# Altium PCB LimeSDR-QPCIe_1v2.PcbDoc (part 15 of 21) (continued)
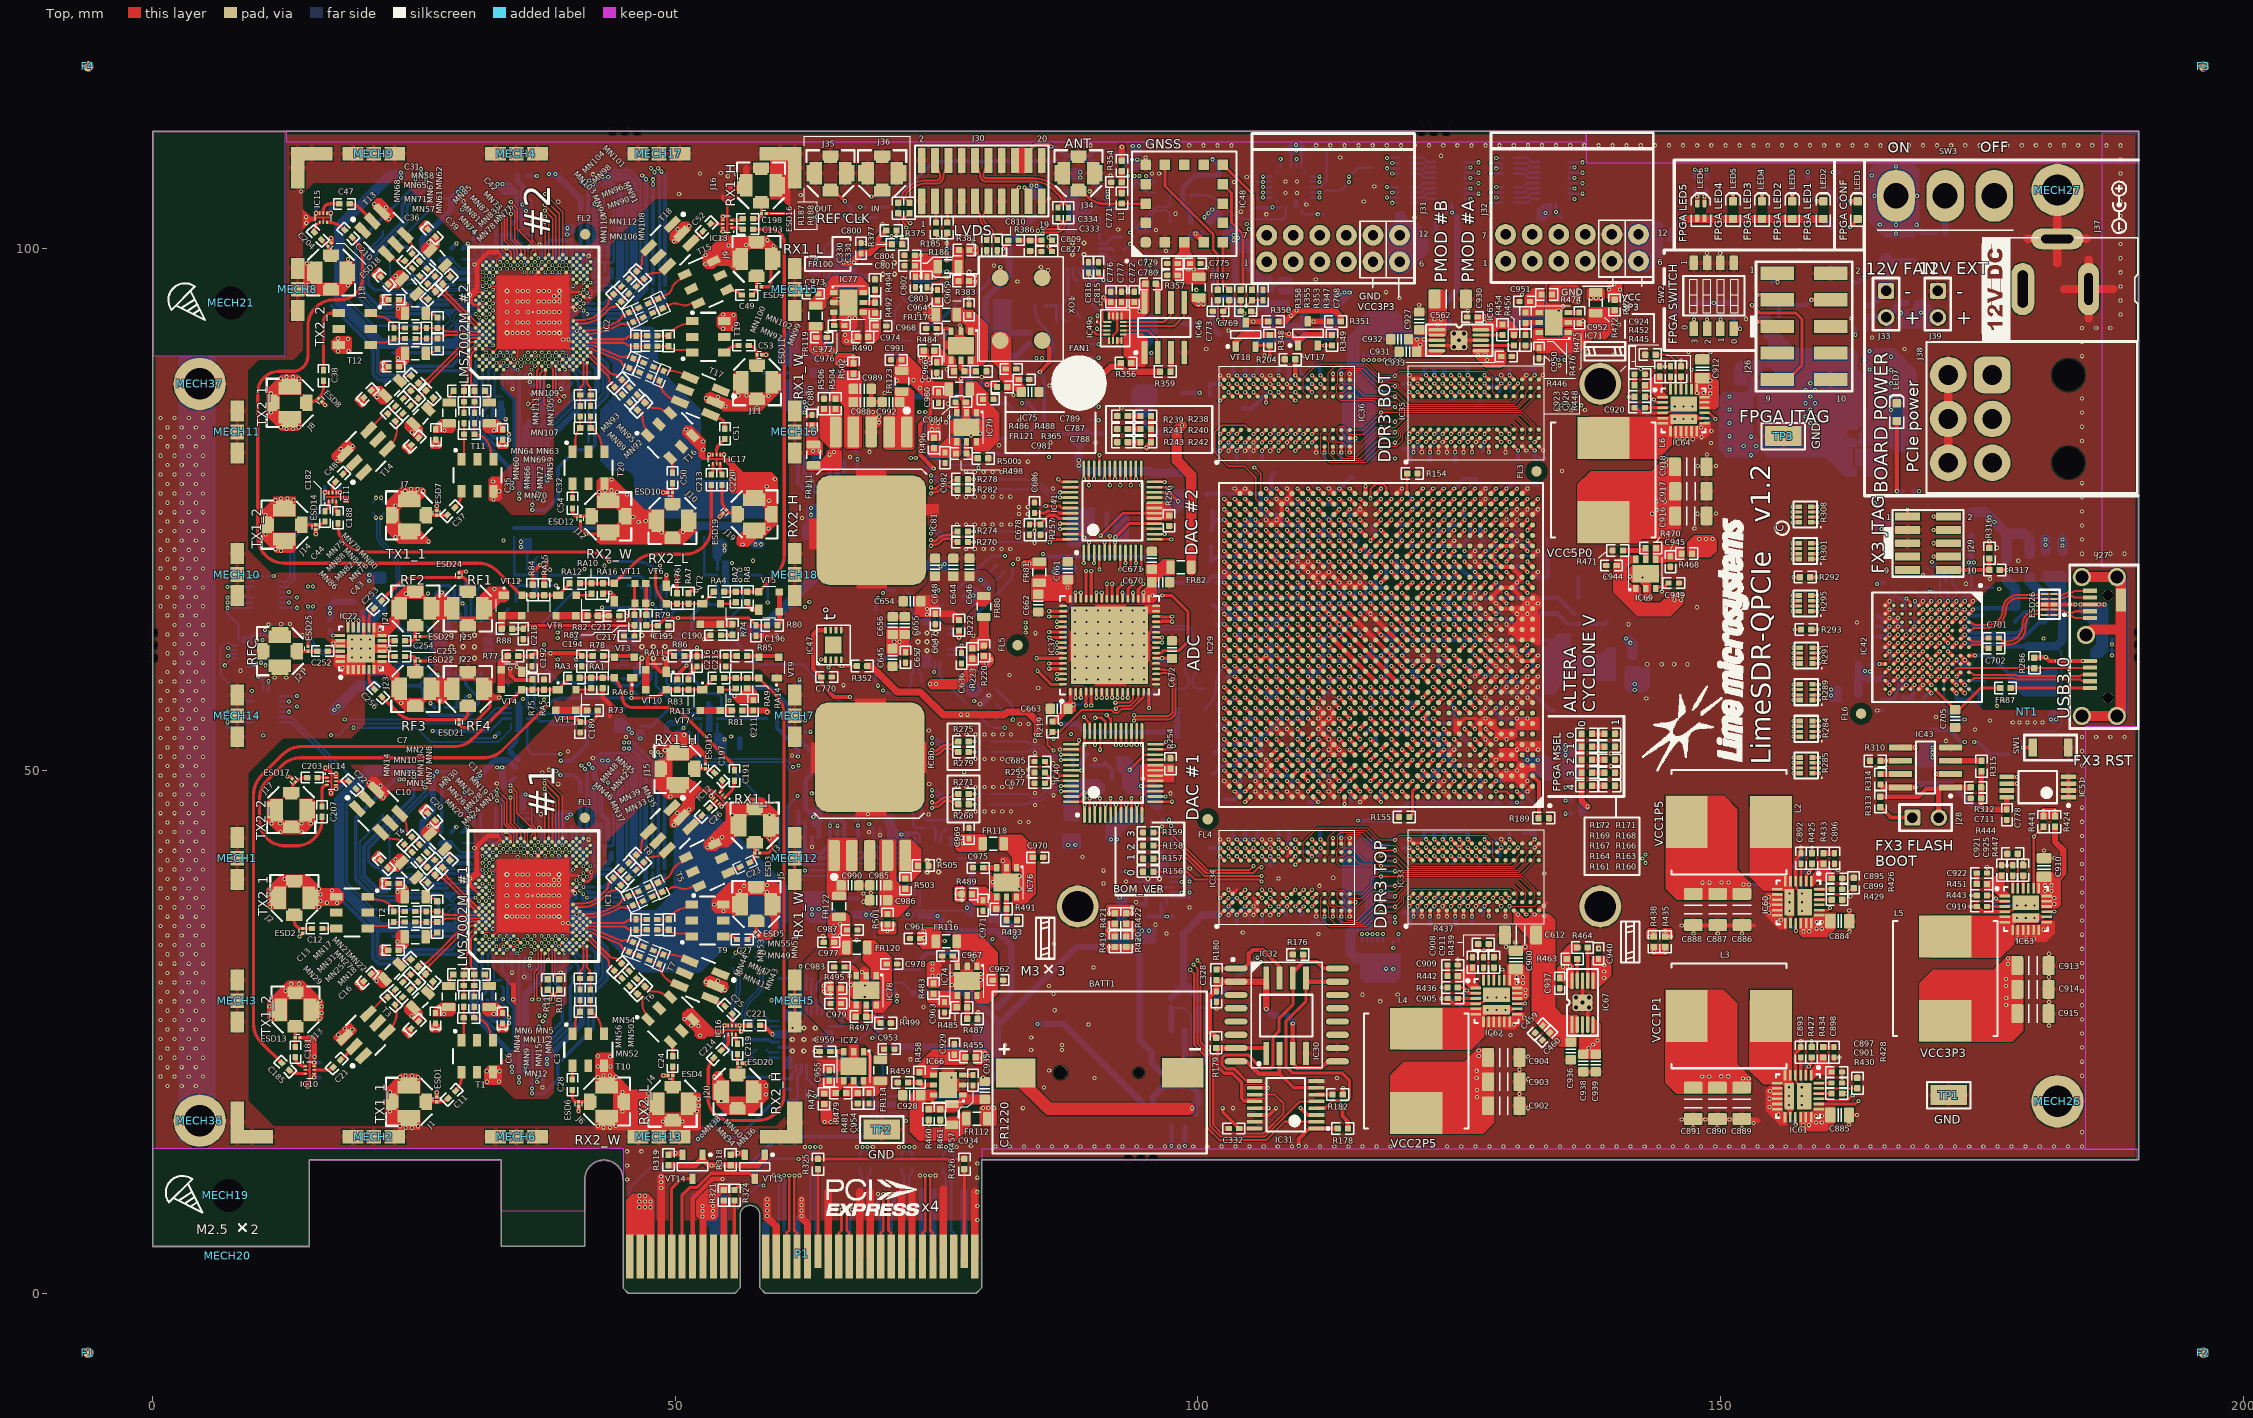
[diagram p0: Top view]
## Nets (pads, with @x,y where several pads share a name; then routed paths per layer and width w, separated by ;. In a path a pad name is that pad's centre, name@x,y a point inside that pad or via, vN(x,y) a via of type N, cw(c..) or ccw(c..) an arc to the next point about the centre after c; other vN are vias at no path point) (continued)
  Bottom w0.254: R373.1@75.425,96.65 v1(75.975,96.65) C794.2@76.525,96.65
LMS2_TX1_2_LB_AT: C190.1 IC8.6 R74.2 | length 45.7
  Top w0.4: C190.1@54.38,62.95 55.43,62.95 R74.2@55.48,63
  L8 w0.1: v1(13.05,66.075) 14.05,66.075 14.65,66.675 21.059,66.675 23.084,64.65 42.475,64.65 43.025,64.1 53.775,64.1 v1(54.925,62.95)
  Bottom w0.25: IC8.6@12.126,66.075 v1(13.05,66.075)
LMS2_TX1_2_LB_H: C186.2 C202.2 IC8.3 IC11.4 IC13.6 | length 90.9
  L9 w0.1: v1(17.912,76.623) 17.514,76.225 16.35,76.225 14.6,77.975 14.6,92.725 13.825,93.5 13.825,99.525 24.55,110.25 50.033,110.25 55.502,104.781 55.502,102.541 v1(54.548,101.588)
  Bottom w0.25: IC8.3@12.126,67.575 12.825,67.575 13.525,68.275 13.525,72.236 v1(17.912,76.623)
  Bottom w0.4: v1(17.912,76.623) C186.2@17.912,77.112 ; v1(54.548,101.588) C202.2@55.037,101.588
LMS2_TX1_2_LB_L: C187.2 C201.2 IC8.2 IC11.6 IC13.4 | length 85.5
  L9 w0.1: v1@16.5,76.59 14.8,78.29 14.8,92.808 14.025,93.583 14.025,99.442 24.633,110.05 49.95,110.05 55.302,104.698 55.302,103.727 54.587,103.012 v1(54.552,103.012)
  Bottom w0.25: IC8.2@12.126,68.075 12.75,68.075 13.175,68.5 13.175,72.381 16.488,75.694 v1(16.488,76.627)
  Bottom w0.4: v1(16.488,76.627) C187.2@16.488,77.115 ; v1(54.552,103.012) C201.2@55.04,103.012
LMS2_TX1_2_LB_SH: C195.1 C196.1 IC8.5 R79.2 R80.1 | length 51.6
  Top w0.3: R79.2@47.225,63.9 48.375,63.9 49.075,64.6 57.025,64.6 C196.1@57.725,63.9 R80.1@58.775,63.9
  L8 w0.1: v1(13.8,66.575) 14.1,66.875 21.142,66.875 23.167,64.85 42.558,64.85 43.108,64.3 49.975,64.3 v1(50.275,64.6)
  Bottom w0.25: IC8.5@12.126,66.575 v1(13.8,66.575)
LMS2_TX1_BB_I_N: IC2.R5 R273.1 | length 83.4
  L6 w0.1: 32.325,91.225 ccw(c32.325,90.125) 31.225,90.125 31.225,66.002 ccw(c33.765,66.002) 31.969,64.206 36.456,59.719 ccw(c38.252,61.515) 38.252,58.975 58.573,58.975 cw(c58.573,56.235) 60.51,58.172 69.989,48.694 ccw(c71.785,50.49) 71.785,47.95 74.128,47.95 ccw(c74.128,48.547) v1(74.55,48.125) ; 32.327,91.223 32.345,91.223 cw(c32.345,90.12) 33.125,90.9 ccw(c33.789,91.564) 33.789,90.625 34.7,90.625 cw(c34.7,89.751) 35.574,89.751 v3(35.574,89.689)
  Bottom w0.25: 74.775,48.025 74.832,48.025 cw(c74.832,47.257) 75.375,47.8 75.539,47.636 ccw(c76,48.097) 76,47.445 76.295,47.445 ccw(c76.295,47.529) 76.355,47.469 cw(c77.08,46.744) R273.1@77.08,47.77
LMS2_TX1_BB_I_P: IC2.T4 R269.1 | length 85.7
  L6 w0.1: v3(35.907,89.356) 36.073,89.522 ccw(c35.645,89.95) 36.25,89.95 36.25,90.2 ccw(c35.625,90.2) 35.625,90.825 33.812,90.825 cw(c33.812,91.578) 33.279,91.046 ccw(c32.336,90.102) 32.336,91.436 ccw(c32.336,90.125) 31.025,90.125 31.025,66.002 ccw(c33.765,66.002) 31.828,64.065 36.315,59.578 ccw(c38.252,61.515) 38.252,58.775 58.573,58.775 cw(c58.573,56.235) 60.369,58.031 69.847,48.553 ccw(c71.785,50.49) 71.785,47.75 74.127,47.75 cw(c74.127,47.152) v1(74.55,47.575)
  Bottom w0.25: v1(74.55,47.575) 74.562,47.587 cw(c74.775,47.373) 74.775,47.675 74.832,47.675 cw(c74.832,47.257) 75.127,47.553 75.292,47.388 ccw(c76,48.097) 76,47.095 76.295,47.095 cw(c76.295,47.011) 76.355,47.071 ccw(c77.08,47.796) R269.1@77.08,46.77
LMS2_TX1_BB_Q_N: IC2.P2 R281.1 | length 83.9
  L6 w0.1: v3(35.241,88.69) 35.391,88.69 cw(c35.391,88.591) 35.461,88.661 cw(c35.247,88.447) 35.55,88.447 35.55,88.052 cw(c33.01,88.052) 34.806,86.256 32.578,84.028 ccw(c34.515,82.09) 31.775,82.09 31.775,66.61 31.775,66.444 ccw(c34.315,66.444) 32.519,64.648 32.636,64.531 37.009,60.159 ccw(c38.719,61.869) 38.719,59.45 59.098,59.45 cw(c59.098,56.91) 60.894,58.706 66.037,53.563 ccw(c67.975,55.5) 67.975,52.76 68.825,52.76 ccw(c68.825,53.164) 69.229,53.164 69.229,53.79 cw(c69.433,53.79) 69.637,53.79 69.637,51.93 ccw(c70.041,51.93) 70.445,51.93 70.445,53.79 cw(c70.649,53.79) 70.853,53.79 70.853,51.93 ccw(c71.257,51.93) 71.661,51.93 71.661,52.556 cw(c71.865,52.556) 71.865,52.76 74.127,52.76 cw(c74.127,52.162) v1(74.55,52.585)
  Bottom w0.25: v1(74.55,52.585) 74.562,52.597 cw(c74.775,52.383) 74.775,52.685 74.832,52.685 cw(c74.832,52.267) 75.127,52.563 75.292,52.398 ccw(c76,53.107) 76,52.105 76.295,52.105 cw(c76.295,52.021) 76.355,52.081 ccw(c77.08,52.806) R281.1@77.08,51.78
LMS2_TX1_BB_Q_P: IC2.R3 R277.1 | length 83.4
  L6 w0.1: v3(35.574,89.023) 35.574,88.872 ccw(c35.672,88.872) 35.603,88.803 cw(c35.247,88.447) 35.75,88.447 35.75,88.052 cw(c33.01,88.052) 34.947,86.115 32.719,83.886 ccw(c34.515,82.09) 31.975,82.09 31.975,66.61 ccw(c34.715,66.61) 32.778,64.672 37.15,60.3 ccw(c38.719,61.869) 38.719,59.65 59.098,59.65 cw(c59.098,56.91) 61.035,58.847 66.179,53.704 ccw(c67.975,55.5) 67.975,52.96 68.825,52.96 ccw(c68.825,53.164) 69.029,53.164 69.029,53.79 cw(c69.433,53.79) 69.837,53.79 69.837,51.93 ccw(c70.041,51.93) 70.245,51.93 70.245,53.79 cw(c70.649,53.79) 71.053,53.79 71.053,51.93 ccw(c71.257,51.93) 71.461,51.93 71.461,52.556 cw(c71.865,52.556) 71.865,52.96 74.128,52.96 ccw(c74.128,53.557) v1(74.55,53.135)
  Bottom w0.25: 74.775,53.035 74.832,53.035 cw(c74.832,52.267) 75.375,52.81 75.539,52.646 ccw(c76,53.107) 76,52.455 76.295,52.455 ccw(c76.295,52.539) 76.355,52.479 cw(c77.08,51.754) R277.1@77.08,52.78
LMS2_TX2_2_LB_AT: C212.1 IC8.4 R82.2 | length 33.1
  Top w0.7: R82.2@42.518,64.813 R82.2@42.593,64.813 C212.1@43.643,64.813
  L8 w0.1: v1(13.05,67.075) 21.225,67.075 23.25,65.05 42.875,65.05 v1(43.125,64.8)
  Bottom w0.25: IC8.4@12.126,67.075 v1(13.05,67.075)
LMS2_TX2_2_LB_H: C208.2 C224.2 IC8.1 IC15.4 IC17.6 | length 87
  L10 w0.1: v1(17.037,103.323) 15.825,102.111 15.825,87.25 9.676,81.101 9.676,69.699 10.75,68.625 v1(11.575,68.625) 12.292,68.625 23.442,79.775 52.786,79.775 v1(53.238,80.227)
  Bottom w0.25: IC8.1@11.076,68.575 11.126,68.625 v1(11.575,68.625)
  Bottom w0.4: v1(17.037,103.323) C224.2@17.037,103.812 ; C208.2@53.238,79.738 v1(53.238,80.227)
LMS2_TX2_2_LB_L: C209.2 C223.2 IC8.15 IC15.6 IC17.4 | length 89.1
  L10 w0.1: v1(15.613,103.327) 15.613,87.321 9.476,81.184 v1(9.476,68.574) 9.775,68.275 12.225,68.275 23.525,79.575 54.01,79.575 v1(54.662,80.227)
  Bottom w0.25: v1(9.476,68.574) 9.476,68.125 IC8.15@9.526,68.075
  Bottom w0.4: v1(15.613,103.327) C223.2@15.613,103.815 ; C209.2@54.662,79.738 v1(54.662,80.227)
LMS2_TX2_2_LB_SH: C217.1 C218.1 IC8.7 R87.1 R88.2 | length 37.3
  Top w0.3: R88.2@34.405,63.575 C218.1@35.455,63.575 35.78,63.9 R87.1@46.1,63.9 C217.1@46.1,62.875
  L8 w0.1: v1(13.8,65.575) 13.833,65.575 14.733,66.475 20.976,66.475 23.001,64.45 34.1,64.45 v1(34.975,63.575)
  Bottom w0.25: IC8.7@12.126,65.575 v1(13.8,65.575)
LMS2_TX2_BB_I_N: IC2.T6 R276.1 | length 61.5
  L8 w0.1: v3(35.907,90.022) 36.367,90.482 cw(c37.344,89.506) 37.344,90.887 37.873,90.887 cw(c37.873,90.034) 38.477,90.637 ccw(c38.778,90.939) 38.778,90.512 39.918,90.512 ccw(c39.918,91.492) 40.611,90.799 ccw(c40.331,91.079) 40.727,91.079 40.727,91.201 cw(c41.894,91.201) 41.068,92.026 41.184,92.141 cw(c42.894,90.431) 42.894,92.85 59.71,92.85 cw(c59.71,90.11) 62.45,90.11 62.45,88.502 ccw(c64.99,88.502) 63.194,86.706 67.831,82.069 ccw(c69.627,83.865) 69.627,81.325 73.835,81.325 cw(c73.835,78.585) 76.575,78.585 76.575,76.925 cw(c74.425,76.925) 74.425,74.775 ccw(c74.425,73.725) 73.375,73.725 73.375,73.5 ccw(c73.825,73.5) 73.825,73.05 74.053,73.05 ccw(c74.053,73.647) v1(74.475,73.225)
  Bottom w0.25: v1(74.475,73.225) 74.487,73.213 ccw(c74.7,73.427) 74.7,73.125 74.757,73.125 cw(c74.757,72.357) 75.3,72.9 75.464,72.736 ccw(c75.925,73.197) 75.925,72.545 76.22,72.545 ccw(c76.22,72.629) 76.28,72.569 cw(c77.005,71.844) R276.1@77.005,72.87
LMS2_TX2_BB_I_P: IC2.V2 R272.1 | length 61.6
  L8 w0.1: v3(36.573,88.69) ccw(c37.727,89.844) 37.727,88.212 38.127,88.212 ccw(c38.127,89.48) 39.023,88.583 40.662,90.222 ccw(c40.021,90.862) 40.927,90.862 40.927,91.201 cw(c41.894,91.201) 41.21,91.885 41.325,92 cw(c42.894,90.431) 42.894,92.65 59.71,92.65 cw(c59.71,90.11) 62.25,90.11 62.25,88.502 ccw(c64.99,88.502) 63.053,86.565 67.69,81.928 ccw(c69.627,83.865) 69.627,81.125 73.835,81.125 cw(c73.835,78.585) 76.375,78.585 76.375,76.925 cw(c74.425,76.925) 74.425,74.975 ccw(c74.425,73.725) 73.175,73.725 73.175,73.5 ccw(c73.825,73.5) 73.825,72.85 74.053,72.85 cw(c74.053,72.252) v1(74.475,72.675)
  Bottom w0.25: v1(74.475,72.675) 74.487,72.687 cw(c74.7,72.473) 74.7,72.775 74.757,72.775 cw(c74.757,72.357) 75.052,72.653 75.217,72.488 ccw(c75.925,73.197) 75.925,72.195 76.22,72.195 cw(c76.22,72.111) 76.28,72.171 ccw(c77.005,72.896) R272.1@77.005,71.87
LMS2_TX2_BB_Q_N: IC2.U1 R283.1 | length 63.1
  L8 w0.1: 35.634,88.359 ccw(c36.018,87.975) 35.475,87.975 35.475,84.827 ccw(c38.015,84.827) 36.219,83.031 39.106,80.144 ccw(c40.902,81.94) 40.902,79.4 45.05,79.4 ccw(c45.05,79.604) 45.254,79.604 45.254,80.23 cw(c45.658,80.23) 46.062,80.23 46.062,78.37 ccw(c46.266,78.37) 46.47,78.37 46.47,80.23 cw(c46.874,80.23) 47.278,80.23 47.278,78.37 ccw(c47.482,78.37) 47.686,78.37 47.686,80.23 cw(c48.09,80.23) 48.494,80.23 48.494,79.604 ccw(c48.698,79.604) 48.698,79.4 74.975,79.4 cw(c74.975,78.7) 75.675,78.7 75.675,78.435 cw(c75.1,78.435) 75.1,77.86 74.897,77.86 ccw(c74.897,77.262) v1(74.475,77.685) ; 35.634,88.359 35.8,88.525 cw(c35.957,88.368) 35.957,88.59 36.075,88.59 v3@36.191,88.474 ; v3@36.191,88.474 cw(c36.075,88.357) v3(36.24,88.357)
  Bottom w0.25: v1(74.475,77.685) 74.487,77.697 cw(c74.7,77.483) 74.7,77.785 74.757,77.785 cw(c74.757,77.367) 75.052,77.663 75.217,77.498 ccw(c75.925,78.207) 75.925,77.205 76.22,77.205 cw(c76.22,77.121) 76.28,77.181 ccw(c77.005,77.906) R283.1@77.005,76.88
LMS2_TX2_BB_Q_P: IC2.U3 R280.1 | length 63.1
  L8 w0.1: v3(36.24,89.023) cw(c36.075,89.023) 36.191,88.907 36.075,88.79 35.957,88.79 ccw(c35.957,88.368) 35.659,88.666 35.493,88.501 ccw(c36.018,87.975) 35.275,87.975 35.275,84.827 ccw(c38.015,84.827) 36.078,82.89 38.965,80.003 ccw(c40.902,81.94) 40.902,79.2 45.05,79.2 ccw(c45.05,79.604) 45.454,79.604 45.454,80.23 cw(c45.658,80.23) 45.862,80.23 45.862,78.37 ccw(c46.266,78.37) 46.67,78.37 46.67,80.23 cw(c46.874,80.23) 47.078,80.23 47.078,78.37 ccw(c47.482,78.37) 47.886,78.37 47.886,80.23 cw(c48.09,80.23) 48.294,80.23 48.294,79.604 ccw(c48.698,79.604) 48.698,79.2 74.975,79.2 cw(c74.975,78.7) 75.475,78.7 75.475,78.435 cw(c75.1,78.435) 75.1,78.06 74.897,78.06 cw(c74.897,78.657) v1(74.475,78.235)
  Bottom w0.25: v1(74.475,78.235) 74.487,78.223 ccw(c74.7,78.437) 74.7,78.135 74.757,78.135 cw(c74.757,77.367) 75.3,77.91 75.464,77.746 ccw(c75.925,78.207) 75.925,77.555 76.22,77.555 ccw(c76.22,77.639) 76.28,77.579 cw(c77.005,76.854) R280.1@77.005,77.88
LMS2_TXEN: IC2.U29 IC29.AD27 R26.1 | length 96.6
  Top w0.4: v2(105.525,71) IC29.AD27@106.025,70.5
  L6 w0.1: v3(36.24,97.681) 36.965,96.956 39.25,96.956 39.383,97.089 40.286,97.089 41.472,98.275 42.085,98.275 46.035,102.225 50.947,102.225 52.213,103.491 67.226,103.491 67.417,103.3 75.058,103.3 77.775,100.583 77.775,97.133 81.6,93.308 81.6,92.1 82.15,91.55 82.15,87.891 86.95,83.091 87.425,82.616 87.425,77.509 88.534,76.4 91.689,76.4 96.889,71.2 96.897,71.2 97.497,70.6 101.975,70.6 102.225,70.35 104.425,70.35 105.075,71 v2(105.525,71)
  Bottom w0.4: v2(105.525,71) 106.025,70.5 R26.1@106.025,69.5
LMS2_TXNRX1: IC2.V32 IC29.AF28 R22.1 | length 105.6
  Top w0.4: v2(104.525,73) IC29.AF28@105.025,72.5
  L6 w0.1: v3(36.573,98.68) 36.573,99.14 36.783,99.35 37.408,99.35 38.183,100.125 40.384,100.125 44.484,104.225 50.1,104.225 51.45,105.575 55.681,105.575 56.681,106.575 78.694,106.575 82.835,102.434 83.641,102.434 83.984,102.091 83.984,101.284 85.257,100.012 85.526,99.743 85.938,99.743 86.252,100.057 86.252,101.627 86.5,101.875 86.851,101.875 87.2,101.526 87.2,99.326 88.884,97.642 90.033,97.642 90.225,97.45 90.225,96.45 90.475,96.2 91.542,96.2 91.8,95.942 91.8,95.316 91.25,94.766 91.25,84.4 90.875,84.025 90.875,82.759 95.75,77.884 95.75,76.034 98.234,73.55 103.975,73.55 v2(104.525,73)
  Bottom w0.4: v2(104.525,73) 104.025,72.5 104.025,71.793 104.318,71.5 104.732,71.5 105.025,71.207 R22.1@105.025,69.5
LMS2_TXNRX2: IC2.U31 IC29.AC30 R37.1 | length 108.2
  Top w0.4: v2(102.525,70) IC29.AC30@103.025,69.5
  L6 w0.1: v3(36.24,98.347) 36.24,98.271 35.915,97.946 35.915,97.547 36.705,96.756 39.333,96.756 39.466,96.889 40.369,96.889 41.555,98.075 42.168,98.075 45.518,101.425 51.267,101.425 52.417,102.575 54.733,102.575 55.033,102.275 55.542,102.275 56.542,103.275 63.155,103.275 63.5,102.93 v1(63.5,102.975) 63.95,102.975 64.25,102.675 64.25,101.125 64.55,100.825 64.925,100.825 ccw(c64.925,101.125) 65.225,101.125 65.225,102.651 cw(c65.525,102.651) 65.525,102.951 cw(c65.525,102.651) 65.825,102.651 65.825,100.825 65.825,100.737 ccw(c66.125,100.737) 66.125,100.437 ccw(c66.125,100.737) 66.425,100.737 66.425,100.825 66.425,102.651 cw(c66.725,102.651) 66.725,102.951 cw(c66.725,102.651) 67.025,102.651 67.025,101.075 ccw(c67.275,101.075) 67.275,100.825 67.6,100.825 67.85,101.075 67.85,102.35 68.6,103.1 70.175,103.1 70.475,103.1 70.775,103.1 cw(c70.775,102.8) 71.075,102.8 71.075,101.852 ccw(c71.375,101.852) 71.375,101.552 ccw(c71.375,101.852) 71.675,101.852 71.675,102.8 cw(c71.975,102.8) 71.975,103.1 72.4,103.1 74.975,103.1 77.575,100.5 77.575,97.05 81.4,93.225 81.4,92.017 81.95,91.467 81.95,87.808 86.75,83.008 87.225,82.533 87.225,77.426 88.451,76.2 91.606,76.2 96.981,70.825 96.989,70.825 97.414,70.4 101.875,70.4 102.125,70.15 102.375,70.15 v2(102.525,70)
  Bottom w0.4: R37.1@63.5,102.375 v1(63.5,102.975)
LMS2_TXPLL_CLK: C793.2 IC2.E5 R370.1 | length 94.3
  L12 w0.1: v3(32.244,89.689) 33.136,90.581 cw(c34.932,88.785) 34.932,91.325 35.825,91.325 ccw(c35.825,91.925) 36.425,91.925 36.425,96.148 cw(c38.965,96.148) 37.169,97.944 37.322,98.097 ccw(c36.739,98.68) 37.564,98.68 37.564,99.909 cw(c39.566,99.909) 38.15,101.325 39.681,102.856 cw(c41.477,101.06) 41.477,103.6 42.975,103.6 ccw(c42.975,103.904) 43.279,103.904 43.279,105.02 cw(c43.583,105.02) 43.583,105.324 cw(c43.583,105.02) 43.887,105.02 43.887,103.6 43.887,102.18 ccw(c44.191,102.18) 44.191,101.876 ccw(c44.191,102.18) 44.495,102.18 44.495,103.6 44.495,105.02 cw(c44.799,105.02) 44.799,105.324 cw(c44.799,105.02) 45.103,105.02 45.103,103.6 45.103,102.18 ccw(c45.407,102.18) 45.407,101.876 ccw(c45.407,102.18) 45.711,102.18 45.711,103.6 45.711,105.02 cw(c46.015,105.02) 46.015,105.324 cw(c46.015,105.02) 46.319,105.02 46.319,103.6 46.319,102.18 ccw(c46.623,102.18) 46.623,101.876 ccw(c46.623,102.18) 46.927,102.18 46.927,103.6 46.927,105.02 cw(c47.231,105.02) 47.231,105.324 cw(c47.231,105.02) 47.535,105.02 47.535,103.6 47.535,102.18 ccw(c47.839,102.18) 47.839,101.876 ccw(c47.839,102.18) 48.143,102.18 48.143,103.6 48.143,105.02 cw(c48.447,105.02) 48.447,105.324 cw(c48.447,105.02) 48.751,105.02 48.751,103.6 48.751,102.18 ccw(c49.055,102.18) 49.055,101.876 ccw(c49.055,102.18) 49.359,102.18 49.359,103.6 49.359,105.02 cw(c49.663,105.02) 49.663,105.324 cw(c49.663,105.02) 49.967,105.02 49.967,103.6 49.967,102.465 ccw(c50.271,102.465) 50.271,102.161 ccw(c50.271,102.465) 50.575,102.465 50.575,103.296 cw(c50.879,103.296) 50.879,103.6 53.15,103.6 58.698,103.6 cw(c58.698,101.06) 60.494,102.856 64.581,98.769 ccw(c66.377,100.565) 66.377,98.025 73.463,98.025 cw(c73.463,97.513) 73.825,97.875 ccw(c74.127,98.177) 74.127,97.75 v1(75.975,97.75)
  Bottom w0.254: R370.1@75.425,97.75 v1(75.975,97.75) C793.2@76.525,97.75
MSEL0: IC29.T8 R160.1 R161.2 | length 29.1
  Top w0.4: v2(124.525,63) IC29.T8@125.025,62.5
  Top w0.6: R161.2@137.7,48.55 v1(138.317,48.55) R160.1@138.915,48.55
  L8 w0.1: v2(124.525,63) 124.525,62.505 125.605,61.425 129.6,61.425 129.875,61.15 129.875,60.845 129.025,59.995 129.025,58.975 129.65,58.35 130.68,58.35 131.925,57.105 131.925,56.226 133.876,54.275 138.619,54.275 139.067,53.827 139.067,52.754 138.667,52.354 138.667,49.567 138.317,49.217 v1(138.317,48.55)
MSEL1: IC29.P9 R163.1 R164.2 | length 25.9
  Top w0.4: v2(123.525,61) IC29.P9@124.025,60.5
  Top w0.6: R164.2@137.7,49.794 v1(138.317,49.794) R163.1@138.915,49.794
  L8 w0.1: v2(123.525,61) 123.925,61.4 124.62,61.4 126,60.02 126,58.974 126.374,58.6 127.733,58.6 127.958,58.375 128.625,58.375 128.85,58.15 128.85,57.775 129.225,57.4 130.675,57.4 130.9,57.175 130.9,56.686 133.711,53.875 138.453,53.875 138.667,53.661 138.667,53.131 137.925,52.389 137.925,50.186 v1(138.317,49.794)
MSEL2: IC29.G5 R166.1 R167.2 | length 13.9
  Top w0.4: v2(127.525,54) IC29.G5@128.025,53.5
  Top w0.6: R167.2@137.7,51.038 v1(138.317,51.038) R166.1@138.915,51.038
  L3 w0.1: v2(127.525,54) 131.95,54 134.912,51.038 v1(138.317,51.038)
MSEL3: IC29.P7 R168.1 R169.2 | length 19
  Top w0.4: IC29.P7@126.025,60.5 v2(126.525,60)
  Top w0.6: R169.2@137.7,52.286 v1(138.317,52.286) R168.1@138.915,52.286
  L8 w0.1: v2(126.525,60) 127.075,59.45 127.5,59.45 128.375,58.575 128.708,58.575 129.05,58.233 129.05,57.858 129.308,57.6 130.758,57.6 131.1,57.258 131.1,56.768 133.793,54.075 138.536,54.075 138.867,53.744 138.867,52.836 v1(138.317,52.286)
MSEL4: IC29.M7 R171.1 R172.2 | length 17
  Top w0.4: v2(125.525,59) IC29.M7@126.025,58.5
  Top w0.6: R172.2@137.7,53.516 v1(138.317,53.516) R171.1@138.915,53.516
  L8 w0.1: v2(125.525,59) 125.691,59 126.291,58.4 127.65,58.4 128.85,57.2 129.386,57.2 129.986,56.6 130.703,56.6 133.787,53.516 v1(138.317,53.516)
NetC1_1: C1.1 IC1.C29 R12.1 | length 4.6
  Bottom w0.2: R12.1@28.605,42.99 28.68,42.99 29.48,42.19 31.293,42.19 31.435,42.048 31.435,41.96 v3(31.551,41.844)
  Bottom w0.5: C1.1@27.487,42.991 27.588,43.091 R12.1@28.537,43.091
NetC2_1: C2.1 IC2.C29 R32.1 | length 4.6
  Bottom w0.2: R32.1@28.632,98.827 28.707,98.827 29.507,98.027 31.32,98.027 31.578,97.769 v3(31.578,97.681)
  Bottom w0.5: C2.1@27.514,98.828 27.614,98.928 R32.1@28.563,98.928
NetC11_1: C11.1 ESD1.1 J1.1 | length 2.1
  Top w0.309: J1.1@26.212,18.316 27.474,18.316 ccw(c27.474,19.444) C11.1@28.271,18.646
NetC11_2: C11.2 T1.4 | length 1.9
  Top w0.309: C11.2@28.979,19.354 ccw(c27.598,20.734) 29.55,20.734 T1.4@29.55,21.146
NetC12_1: C12.1 ESD2.1 J2.1 | length 2.7
  Top w0.309: J2.1@13.55,36.225 J2.1@13.55,36.125 13.55,35.609 ccw(c14.269,35.609) 14.269,34.891 C12.1@15.237,34.891
NetC12_2: C12.2 T2.3 | length 1.3
  Top w0.309: C12.2@16.237,34.891 T2.3@17.546,34.891
NetC21_2: C21.2 T3.2 | length 2.7
  Top w0.309: C21.2@17.979,22.329 ccw(c17.979,22.389) 18.021,22.346 T3.2@19.276,23.601 18.665,22.99
NetC22_2: C22.2 T4.2 | length 1.5
  Top w0.309: C22.2@19.458,48.276 T4.2@20.487,47.246
NetC23_1: C23.1 ESD3.1 J3.1 | length 2.1
  Top w0.309: C23.1@57.303,41.311 ccw(c56.587,42.028) 57.6,42.028 J3.1@57.6,43.05 J3.1@57.6,42.8
NetC23_2: C23.2 T5.4 | length 1.1
  Top w0.309: T5.4@55.201,40.306 C23.2@56.216,40.801
NetC24_1: C24.1 ESD4.1 J4.1 | length 1.8
  Top w0.309: J4.1@49.75,19.725 J4.1@49.75,19.825 ; J4.1@49.75,19.95 C24.1@49.75,21.675
NetC24_2: C24.2 T6.4 | length 1.4
  Top w0.309: T6.4@49.541,24.035 cw(c49.036,23.531) 49.75,23.531 C24.2@49.75,22.675
NetC25_2: C25.2 T7.3 | length 1.6
  Top w0.309: T7.3@53.35,28.222 54.4,27.75 C25.2@54.758,27.456
NetC26_2: C26.2 T8.3 | length 1.5
  Top w0.309: T8.3@51.481,44.639 C26.2@52.565,45.723
NetC27_1: C27.1 ESD5.1 J5.1 | length 2
  Top w0.3: C27.1@56.975,33.845 ccw(c56.975,33.91) C27.1@57.021,33.864
  Top w0.309: C27.1@56.946,33.864 ESD5.1@57.641,34.559 ccw(c57.378,34.822) 57.75,34.822 J5.1@57.75,35.525
NetC27_2: C27.2 T9.4 | length 1.1
  Top w0.309: T9.4@54.875,34.145 55.176,34.145 cw(c55.176,33.121) C27.2@55.9,33.845
NetC28_1: C28.1 ESD6.1 J6.1 | length 2.5
  Top w0.309: C28.1@40.15,19.45 40.15,18.772 ccw(c40.597,18.772) 40.597,18.325 J6.1@41.75,18.325
NetC28_2: C28.2 T10.4 | length 1.3
  Top w0.309: C28.2@40.154,20.45 T10.4@40.154,21.772
NetC37_1: C37.1 ESD7.1 J7.1 | length 2
  Top w0.309: J7.1@26.125,74.428 J7.1@26.225,74.428 ESD7.1@27.175,74.428 C37.1@28.125,74.428
NetC37_2: C37.2 T11.4 | length 1.7
  Top w0.309: C37.2@28.907,75.16 28.927,75.18 ccw(c27.385,76.723) T11.4@29.566,76.723
NetC38_1: C38.1 ESD8.1 J8.1 | length 3
  Top w0.309: J8.1@14.813,85.188 ccw(c14.813,86.725) 16.35,86.725 C38.1@16.35,87.3
NetC38_2: C38.2 T12.4 | length 6.6
  Top w0.309: C38.2@16.35,88.3 16.35,93 cw(c17.118,93) 17.118,93.768 T12.4@17.812,93.768
NetC47_2: C47.2 T13.2 | length 2.8
  Top w0.309: C47.2@18.85,104.225 cw(c18.85,102.963) 19.742,103.855 T13.2@21.014,102.584
NetC48_2: C48.2 T14.2 | length 2.2
  Top w0.309: C48.2@18.204,78.354 19.288,79.438 T14.2@19.302,79.438 T14.2@18.862,78.997
NetC49_1: C49.1 ESD9.1 J9.1 | length 1.8
  Top w0.309: C49.1@57.35,95.5 57.51,95.66 ccw(c56.87,96.3) ESD9.1@57.775,96.3 ; 57.775,96.475 J9.1@57.775,97.25 J9.1@57.775,97.35
NetC49_2: C49.2 T15.4 | length 1.5
  Top w0.309: T15.4@54.952,95.999 55.146,95.999 cw(c55.146,94.296) C49.2@56.35,95.5
NetC50_1: C50.1 ESD10.1 J10.1 | length 1.9
  Top w0.309: J10.1@49.725,75.6 C50.1@49.725,77.5
NetC50_2: C50.2 T16.4 | length 1.5
  Top w0.309: T16.4@49.522,79.918 cw(c49.522,79.715) 49.725,79.715 C50.2@49.725,78.5
NetC51_2: C51.2 T17.3 | length 2.1
  Top w0.309: T17.3@53.376,84.059 54.347,83.659 54.575,83.5 54.675,83.35 54.725,83.15 C51.2@54.737,82.719
NetC52_2: C52.2 T18.3 | length 1.6
  Top w0.309: T18.3@51.507,100.476 C52.2@52.657,101.625
NetC53_1: C53.1 ESD11.1 J11.1 | length 2.4
  Top w0.309: C53.1@57.041,90.662 cw(c57.041,89.887) 57.816,89.887 J11.1@57.816,88.857 J11.1@57.816,88.757 J11.1@57.816,88.707
NetC53_2: C53.2 T19.4 | length 1.6
  Top w0.309: T19.4@54.67,89.987 54.853,90.169 cw(c56.041,88.981) C53.2@56.041,90.662
NetC54_1: C54.1 ESD12.1 J12.1 | length 2.5
  Top w0.309: C54.1@40.175,75.075 40.175,74.753 ccw(c40.6,74.753) 40.6,74.328 J12.1@41.888,74.328 ; J12.1@41.888,74.328 J12.1@41.988,74.328 J12.1@41.888,74.328
NetC54_2: C54.2 T20.4 | length 1.4
  Top w0.309: C54.2@40.175,76.075 40.175,77.45 T20.4@40.181,77.45
NetC55_1: C55.1 IC1.D24 R39.1 | length 2.7
  Bottom w0.22: R39.1@29.365,40.61 C55.1@29.88,40.61 ; C55.1@29.88,40.56 30.86,40.56 31.293,40.127 31.832,40.127 v3(31.884,40.179)
NetC56_1: C56.1 C57.1 C58.1 C59.1 C60.1 C61.1 IC1.AH30 IC1.W31 IC1.W33 R40.2 | length 16.9
  L6 w0.35: v3(36.879,42.51) 37.095,42.294 37.095,41.494 37.739,40.85 38.8,40.85 39.876,41.926 v3(39.876,42.177) 40.15,42.451 40.15,43.55 39.65,44.05 37.3,44.05 36.879,43.629 v3(36.879,43.176)
  Bottom w0.2: 36.255,41.24 36.33,41.165 C58.1@36.33,40.545
  Bottom w0.25: 36.255,41.24 36.28,41.24 36.6,41.56 36.6,41.666 37.077,42.142 C59.1@37.182,42.142
  Bottom w0.3: v3(36.879,42.51) 36.879,42.445 C59.1@37.182,42.142 ; v3(36.879,43.176) 37.018,43.315 C60.1@37.275,43.315 37.275,43.815 C61.1@37.555,44.095 ; v3(39.876,42.177) 40.105,42.406 C57.1@40.105,43.975 R40.2@40.105,44.64
NetC62_1: C62.1 C63.1 C64.1 C65.1 IC1.H32 IC1.T32 R41.2 | length 10.4
  Top w0.11: IC1.T32@35.883,42.846 35.883,44.168 v1(36.005,44.29)
  L6 w0.35: v3(33.216,42.843) 33.216,43.291 33.525,43.6 35.315,43.6 v1(36.005,44.29)
  Bottom w0.11: R41.2@35.555,45.44 C64.1@36.16,45.44
  Bottom w0.25: C65.1@35.455,44.06 35.775,44.06 36.255,44.54 36.255,45.345 C64.1@36.19,45.41 ; R41.2@35.555,45.44 35.585,45.41 C64.1@36.19,45.41 ; C64.1@36.28,45.41 C64.1@36.19,45.41
  Bottom w0.35: C63.1@32.015,43.595 32.005,43.585 32.005,43.406 32.376,43.035 33.024,43.035 33.175,42.884 C62.1@33.175,43.291
NetC66_1: C66.1 FR8.1 IC1.E21 | length 8.7
  Bottom w0.15: FR8.1@24.275,40.6 24.45,40.775 C66.1@26.025,40.775 26.037,40.775 26.747,40.065 30.655,40.065 31.101,39.619 31.778,39.619 v3(32.217,39.18)
NetC67_1: C67.1 FR7.1 IC1.D16 | length 7
  Bottom w0.15: C67.1@26.762,35.929 27.064,35.929 27.325,36.191 27.338,36.191 28.288,37.141 28.659,37.141 28.762,37.244 28.762,37.591 29.369,38.198 31.205,38.198
  Bottom w0.17: 30.729,38.202 30.736,38.208 31.195,38.208 31.205,38.198 v3(31.887,37.516)
NetC68_1: C68.1 FR6.1 IC1.E17 | length 4.7
  Bottom w0.2: C68.1@27.992,38.141 28.437,37.696 FR6.1@28.437,37.491 ; 28.762,38.091 29.169,38.498 31.567,38.498 v3(32.217,37.848)
NetC69_1: C69.1 FR5.1 IC1.AK22 | length 13.9
  L6 w0.35: v3(40.542,39.513) 40.425,39.63 40.425,40.092 40.726,40.393 40.726,41.5 41.025,41.799 41.025,47.179 v1(42.237,48.391)
  Bottom w0.6: 42.187,44.941 v1@42.187,48.391 ; 42.237,44.941 FR5.1@42.762,44.416
NetC70_1: C70.1 FR4.1 IC1.AM18 | length 2.3
  Bottom w0.31: v3(41.208,38.181) 41.105,38.078 41.105,37.665 41.355,37.415 FR4.1@42.75,37.415
NetC71_1: C71.1 FR3.2 IC1.AE3 IC1.AF4 | length 4.5
  Top w0.2: v3(38.877,33.186) IC1.AF4@39.21,33.519
  Bottom w0.3: v3(38.877,33.186) 39.098,32.965 39.606,32.965 39.956,32.616 ; 39.989,32.59 40.505,32.074 40.505,31.515 40.725,31.295 C71.1@40.725,31.015 FR3.2@40.725,30.136
NetC72_1: C72.1 FR2.2 IC1.N1 | length 1.1
  Bottom w0.3: C72.1@34.305,32.47 34.355,32.52 v3(34.881,32.52) 35.043,32.358 FR2.2@35.043,32.097
NetC73_1: C73.1 FR1.1 IC1.G3 | length 2.1
  Bottom w0.3: FR1.1@32.085,31.39 32.085,32.404 32.868,33.186 v3(32.883,33.186)
NetC74_1: C74.1 FR10.2 IC1.H6 | length 5.2
  Bottom w0.11: 33.216,32.895 v3(33.216,34.185)
  Bottom w0.2: 33.216,32.895 32.662,32.341 FR10.2@32.662,29.941 32.666,29.945 C74.1@33.38,29.945
NetC75_1: C75.1 FR10.1 R42.1 | length 1.4
  Bottom w0.4: C75.1@32.516,28.097 32.508,28.104 R42.1@32.508,28.912 32.508,29.228 FR10.1@32.662,29.381
NetC76_1: C76.1 FR9.1 IC1.AM26 | length 1.4
  Bottom w0.3: v3(41.208,40.845) 41.575,41.212 41.575,41.365 C76.1@41.575,42.14
NetC77_1: C77.1 FR9.2 R43.2 | length 2.5
  Bottom w0.4: FR9.2@42.185,41.34 42.185,42.87 42.755,43.44 R43.2@42.95,43.44
NetC79_1: C79.1 C80.1 C81.1 C82.1 IC1.AA29 IC1.AE29 R45.1 | length 12
  L6 w0.35: v3(37.545,41.844) 37.545,41.68 37.925,41.3 38.6,41.3 38.877,41.577 v3(38.877,41.844)
  Bottom w0.3: C81.1@37.535,40.565 C81.1@37.545,40.575 v3(37.545,41.844) ; C79.1@38.635,40.565 C80.1@38.635,41.3 38.635,41.602 v3(38.877,41.844)
  Bottom w0.4: 38.705,40.99 39.405,40.99 40.6,42.185 40.6,44.185 40.912,44.496 R45.1@40.912,46.966
NetC84_1: C84.1 C85.1 C86.1 C87.1 IC1.L33 IC1.R31 R47.1 | length 10.5
  Top w0.2: v1(33.787,44.141) 33.862,44.141 34.257,43.746 34.257,43.176 IC1.L33@34.215,43.176
  L12 w0.37: v1(33.787,44.141) 34.909,44.141 35.725,43.325 35.725,42.688 v3(35.547,42.51)
  Bottom w0.3: R47.1@33.562,47.541 33.385,47.365 33.385,47.329 33.387,47.327 33.387,45.816 33.385,45.815 C86.1@33.385,45.09 C87.1@33.385,44.315 33.613,44.315 v1(33.787,44.141)
  Bottom w0.35: v3(35.547,42.51) 35.68,42.643
  Bottom w0.37: C84.1@34.828,44.097 C85.1@34.828,43.39 35.38,43.39 35.695,43.075 35.695,42.658 35.68,42.643
NetC88_1: C88.1 FR15.1 IC1.A17 | length 1.3
  Bottom w0.25: FR15.1@30.41,37.065 C88.1@30.41,37.84 30.418,37.848 v3(30.885,37.848)
NetC89_1: C89.1 FR14.2 IC1.F24 | length 1.6
  Bottom w0.3: v3(32.55,40.179) 32.55,40.244 33.005,40.699 C89.1@33.005,40.785 FR14.2@33.78,40.785
NetC90_1: C90.1 FR13.2 IC1.C25 | length 1.4
  Bottom w0.25: FR13.2@31.085,41.69 31.085,40.89 31.463,40.512 v3(31.551,40.512)
NetC91_1: C91.1 FR12.2 IC1.M4 | length 4.1
  L4 w0.3: v3(34.548,33.519) 34.456,33.427 34.456,32.319 35.42,31.355 v1(36.055,31.355)
  Bottom w0.3: v1@36.055,31.33 36.055,31.045 36.065,31.035 FR12.2@36.605,31.035
NetC92_1: C92.1 FR11.2 IC1.AL21 | length 13.3
  Bottom w0.35: 40.03,38.79 40.485,38.79 v3(40.875,39.18)
  Bottom w0.4: 40.08,38.76 39.905,38.585 39.905,37.639 40.605,36.94 46.731,36.94 48.962,39.17 FR11.2@48.962,40.041
NetC93_1: C93.1 FR26.1 IC1.B16 | length 2.1
  Bottom w0.25: v3(31.218,37.515) 31.23,37.503 FR26.1@31.23,36.995 31.525,36.995 32.153,36.995 32.556,37.397 C93.1@32.556,37.347
NetC94_1: C94.1 FR27.1 IC1.F8 R54.1 | length 3.5
  Bottom w0.25: R54.1@32.06,34.665 32.364,34.665 v3(32.55,34.851)
  Bottom w0.35: FR27.1@30.86,34.29 C94.1@30.86,35.065 31.11,35.315 32.305,35.315 32.55,35.07 v3(32.55,34.851)
NetC95_1: C95.1 FR25.1 IC1.E19 | length 4.4
  Bottom w0.11: v3(32.217,38.514) C95.1@33.03,38.514
  Bottom w0.15: v3@32.163,38.46 v3(32.217,38.514)
  Bottom w0.2: FR25.1@28.844,38.798 31.933,38.798 v3(32.217,38.514)
NetC96_1: C96.1 IC1.F20 R53.2 | length 1.4
  Bottom w0.25: v3(32.55,38.847) 32.788,39.085 33.25,39.085 R53.2@33.705,39.54
NetC97_1: C97.1 FR24.1 IC1.AJ25 | length 1
  Bottom w0.35: C97.1@39.98,40.008 39.98,40.283 v3(40.209,40.512) 40.209,40.519 FR24.1@40.482,40.792